# Altium PCB AvionicsSensorBoard.PcbDoc (part 2 of 2)
Units mil, origin at the board's own origin, x right, y up, seen from the top; angles counter-clockwise.
Board outline 3937.01 x 3937.01 mil, 4 copper layers (Top Layer, Layer 1, Layer 2, Bottom Layer), stack 60.708 mil thick; 198 components, 142 nets, 716 pads, 429 vias.
Unrouted connection lines stored in the file: 29.
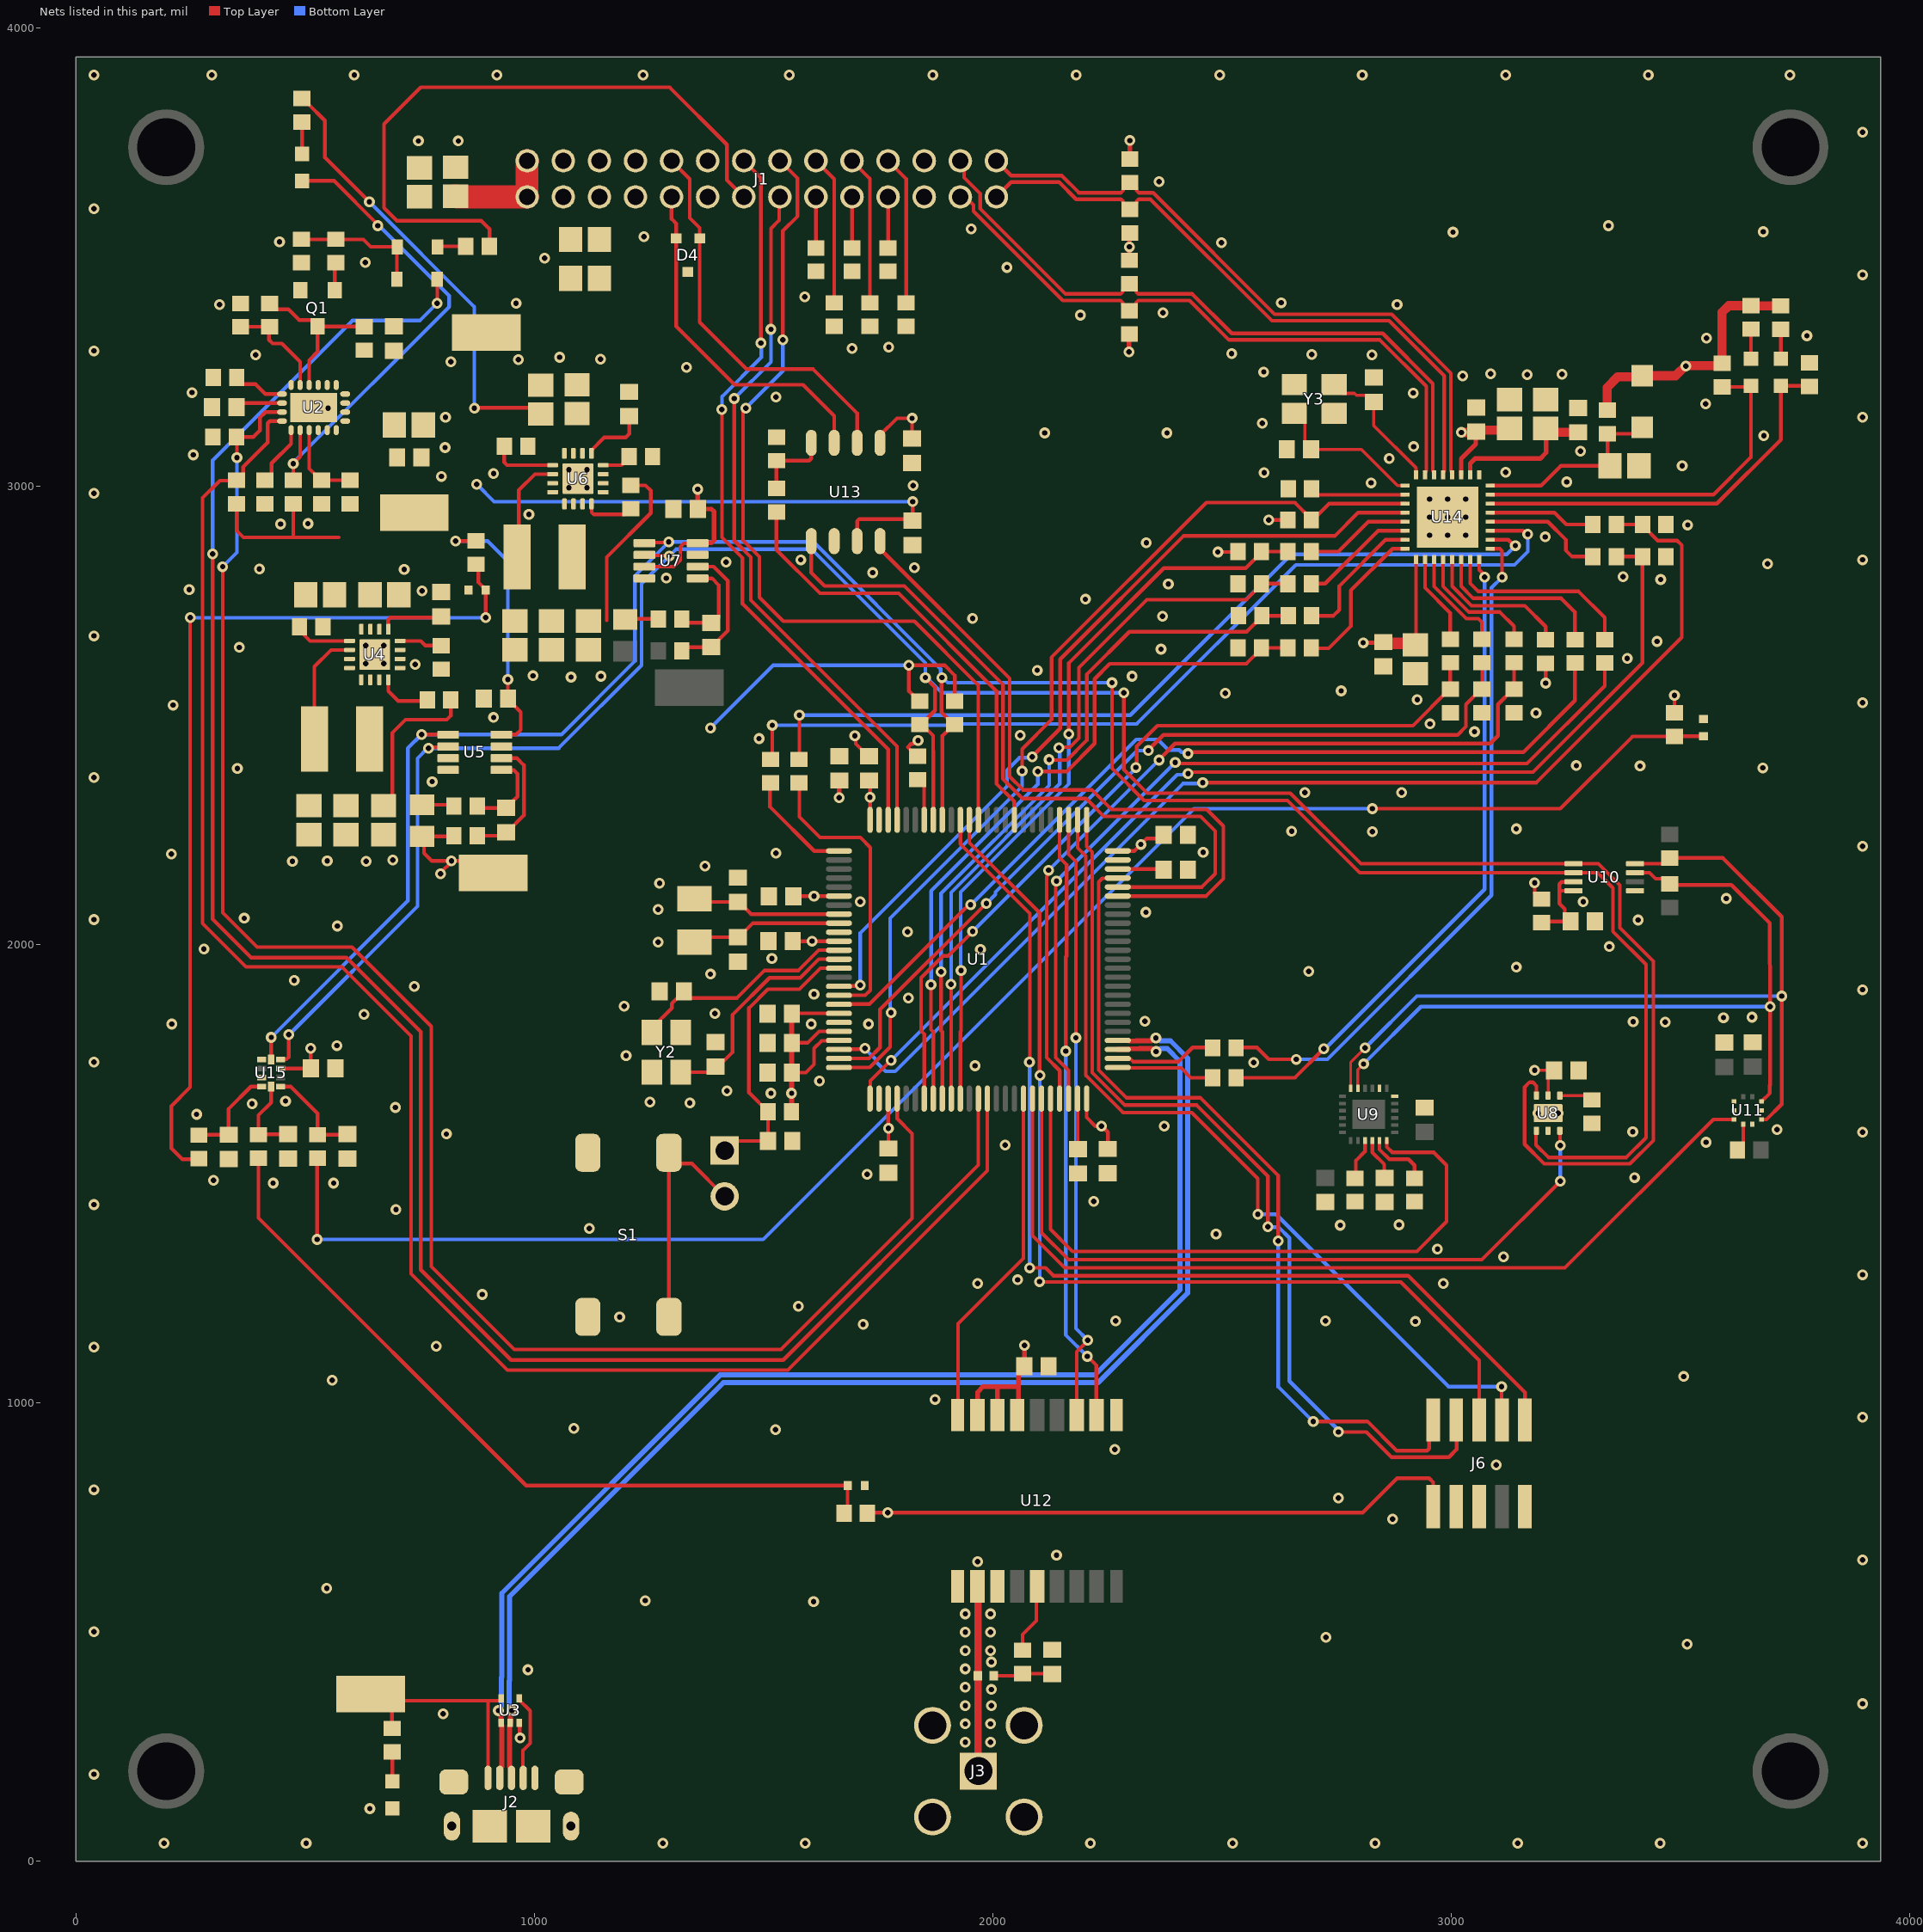
[diagram p4: the nets of this part, all layers, seen from the top]

## Via types
v1: diameter 23.62, hole 11.81, Top Layer to Bottom Layer, 429 vias

## Nets (pads, with @x,y where several pads share a name; then routed paths per layer and width w, separated by ;. In a path a pad name is that pad's centre, name@x,y a point inside that pad or via, vN(x,y) a via of type N, cw(c..) or ccw(c..) an arc to the next point about the centre after c; other vN are vias at no path point) (continued)
+3.3: C6.2 C7.2 C8.2 C9.2 C14.2 C15.2 C16.2 C17.2 C18.2 C19.2 C34.2 C42.2 C43.2 C50.1 C52.2 C56.2 C57.2 C58.2 C59.2 C63.2 D7.2 J6.1 R1.2 R6.2 R10.2 R11.2 R13.2 R14.2 R16.2 R19.2 R41.2 R47.2 R48.2 R49.2 R56.2 R57.2 R58.2 R59.2 R60.2 R76.2 R83.1 R88.1 TP3.1 U1.6 U1.11 U1.19 U1.21 U1.22 U1.28 U1.50 U1.75 U1.100 U5.4 U7.4 U7.7 U8.5 U12.6 U12.7 U12.8 U13.5 U14.3 U14.17 U15.8 | length 6705.2
  Top Layer w6.71: v1(3182,1726) C43.2@3224.43,1726 3211.41,1712.98 U8.5@3211.41,1671
  Top Layer w8: U15.8@446.34,1730 C63.2@512.43,1730 512,1730.43 v1(512,1774) ; v1(795,2155) 795,2157 819,2181 v1(819,2183) ; R19.2@824.41,2238 822.96,2236.55 R16.2@755,2236.55 759,2232.55 759,2200 776,2183 v1(819,2183) ; v1(828,2881) 872.41,2881 R47.2@873,2881.59 ; TP3.1@922,2176 915,2183 v1(819,2183) ; U5.4@928.07,2458.39 928.68,2459 960,2459 970,2469 970,2507.61 942.57,2535.03 C34.2@942.57,2537 942,2537.57 v1(942,2579) ; U7.7@1239.93,2825.2 1304.2,2825.2 1318,2839 1318,2868 1326,2876 U7.4@1334,2876 ; C19.2@1561.57,1721 1592,1721 1610,1739 1610,1774 1626.61,1790.61 1663.64,1790.61 U1.22@1664.37,1791.34 ; C18.2@1561.57,1786 1596,1786 1621.02,1811.02 U1.21@1664.37,1811.02 ; C7.2@1561.57,1850 1561.97,1850.39 U1.19@1664.37,1850.39 ; C6.2@1563.57,2010 1565.7,2007.87 v1@1606.13,2007.87 ; C17.2@1564.57,2106 1564.87,2106.3 v1@1610.3,2106.3 ; v1(1606,2008) v1@1606.13,2007.87 ; v1(1610,2106) v1@1610.3,2106.3 ; U1.6@1663,2106 1662.7,2106.3 v1@1610.3,2106.3 ; U1.11@1664.37,2007.87 v1@1606.13,2007.87 ; R48.2@1726.59,759.7 1727.89,761 v1(1771,761) 2807,761 2882,836 2952,836 2961,827 J6.1@2961,798 ; v1(1732,2322) 1732,2321.57 v1@1732.28,2321.28 ; U1.100@1732.28,2272.64 v1@1732.28,2321.28 ; C15.2@1733,2358 1732.28,2357.28 v1@1732.28,2321.28 ; U13.5@1754,3095.28 1754,3112.02 1790.98,3149 v1@1822,3149 ; v1@1771.65,1600.35 U1.28@1771.65,1664.37 ; C8.2@1772,1555.57 1772.42,1556 v1(1772.42,1599.58) ; v1(1817,2610) 1817,2553.62 1839.03,2531.59 R14.2@1841,2531.59 ; v1@1820,2610 1895,2610 1917,2588 R13.2@1917,2531.59 ; v1@1822,3145 1824,3143 C52.2@1824,3104.57 ; C50.1@2068.43,1080 C50.1@2069,1080.57 ; U1.50@2204.72,1664.37 2204.72,1623.28 2224,1604 v1(2237,1604) 2238,1604 2251,1591 C9.2@2251,1554.57 ; U1.75@2272.64,2204.72 2308.72,2204.72 v1(2323,2219) 2336,2232 C14.2@2372.43,2232 ; C14.2@2372.43,2240 C14.2@2377.43,2240 ; v1(2491,2857) 2533.82,2857 R83.1@2534.82,2858 ; v1(2602,2927) R57.2@2643.82,2927 ; C58.2@2922,2654.5 2923.23,2655.72 U14.17@2923.23,2840.55 ; v1(3182,2135) 3182.3,2134.7 3182.3,2112.32 3195.03,2099.59 R41.2@3197,2099.59 ; v1(3206,2571) R58.2@3206,2614.41 ; R49.2@3487,2506 v1(3487,2544)
  Top Layer w10: v1(1356,2994) 1356,2951.57 C42.2@1356.57,2951 ; U7.4@1356.07,2876.39 1356.68,2877 1386.14,2877 1392,2882.86 1392,2945 1386,2951 1365,2951 C42.2@1362,2954 ; v1(1665,2321) C16.2@1665,2358.43 ; U12.8@1967,958 1967,1024 1979,1036 2010,1036 ; U12.7@2011,968 2010,969 U12.7@2010,974.02 2010,1036 ; U12.6@2048,1000 2051.26,1000 2055.71,1004.45 2055.71,1036 ; C50.1@2068.43,1080 2055.71,1067.28 2055.71,1036 ; C50.1@2069,1080.57 v1(2069,1126) ; v1(2297,3294) 2297,3331.41 R1.2@2298,3332.41 ; R6.2@2298,3491 R6.2@2298,3493.59 v1(2298,3523) 2298,3552.41 R10.2@2299,3553.41 ; R11.2@2299,3714.59 v1(2299,3755) ; v1(2808,2659) 2850.43,2659 C59.2@2852,2660.57 ; U14.3@3021.65,3025.59 3021.65,3060.65 3053.57,3092.57 3053.57,3117.57 C57.2@3055,3119 ; 2010,1036 2055.71,1036
  Top Layer w12: v1(1561,1676) v1@1561.08,1676 ; C7.2@1561.57,1850 1561.08,1849.51 v1@1561.08,1676 ; R88.1@1562,1636 1561.08,1636.92 v1@1561.08,1676
  Top Layer w20: v1(3022,3118) 3053.57,3118 C57.2@3055,3119.43 ; C57.2@3055,3119 3058.96,3122.96 3123.46,3122.96 C56.2@3127,3126.5 ; R76.2@3338,3165 3340,3167 3340,3216 3363.38,3239.38 3414.78,3239.38 D7.2@3417,3241.6 3489.6,3241.6 v1@3512,3264 ; v1(3512,3263) v1@3512,3264 ; R56.2@3591,3274 3591,3380.24 3605.46,3394.7 R60.2@3654.16,3394.7 ; R56.2@3597,3266 3595,3264 v1@3512,3264 ; R60.2@3659,3390 3659,3390.55 3662.86,3394.41 3718.86,3394.41 R59.2@3719.16,3394.11
  Top Layer w25: C59.2@2852,2660.57 2855.04,2657.54 2918.96,2657.54 C58.2@2922,2654.5
  Bottom Layer w8: v1(828,2881) 898,2881 942,2837 942,2580 v1@941,2579 ; v1(1384,2473) 1521,2610 v1@1820,2610
  other v1: 1824,3149
+5: C24.2 C25.2 C29.2 C30.2 C35.2 C36.2 C53.2 R17.2 R21.2 R22.2 R24.2 R35.2 R89.1 TP2.1 U2.4 U2.5 U2.6 U2.7 U2.8 U4.10 U4.11 U4.12 U6.10 U6.11 U6.12 U13.3 | length 2516.7
  Top Layer w8: R21.2@350,2962.41 350,2904 365,2889 573,2889 ; 474,2890 R22.2@474,2962.41 ; R89.1@506,3850 506,3835.56 543,3798.56 543,3718 v1(640,3621) ; R24.2@597.59,2962 R24.2@598,2962.41 ; v1@869,3172 1000,3172 C36.2@1014,3158 ; U13.3@1704,2880.72 1704,2924 1709,2929 1821.57,2929 C53.2@1825,2925.57 v1(1825,2967)
  Bottom Layer w8: v1(640,3621) 869,3392 v1(869,3171) ; v1(874,3005) 912,2967 v1(1825,2967)
+5_Supply: C3.2 C4.2 C23.2 J1.5 J1.6 R20.2 TP1.1 U2.9 U2.10 U2.11 U2.12 U2.13 | length 8.5
  Top Layer w25: C3.2@1136,3456 C3.2@1141.87,3461.87 ; J1.6@1141.73,3710.63 J1.6@1141.87,3710.5
+12_Supply: C1.2 C2.2 J1.1 J1.2 | length 236.9
  Top Layer w50: C1.2@826,3634 829.47,3634 831.58,3631.89 J1.1@984.25,3631.89 ; J1.1@984.03,3634.03 984.03,3710.4 J1.2@984.25,3710.63 J1.2@984.48,3710.4 ; J1.1@984.48,3633.52 J1.1@985,3633
ETH_RX_N: J1.28 R11.1 U14.4 | length 1430.2
  Top Layer w8.18: J1.28@2007.87,3710.63 2040.16,3678.35 2150.4,3678.35 2187.66,3641.09 2279.6,3641.09 2284.39,3645.88 2284.39,3650.77 2297.03,3663.41 2300.97,3663.41 2313.61,3650.77 2313.61,3645.88 2318.4,3641.09 2349.66,3641.09 2614.81,3375.94 2870.36,3375.94 2999.21,3247.09 2999.21,3108.38 2999.21,3033.66 3001.97,3030.91 U14.4@3001.97,3025.59
ETH_RX_P: J1.27 R10.1 U14.5 | length 1406.7
  Top Layer w8.18: J1.27@2007.87,3631.89 2040.16,3664.17 2144.53,3664.17 2181.79,3626.91 2279.6,3626.91 2284.39,3622.12 2284.39,3617.23 2297.03,3604.59 2300.97,3604.59 2313.61,3617.23 2313.61,3622.12 2318.4,3626.91 2343.79,3626.91 2608.93,3361.76 2864.49,3361.76 2985.04,3241.22 2985.04,3102.51 2985.04,3033.66 2982.28,3030.91 U14.5@2982.28,3025.59
ETH_TX_N: J1.26 R6.1 U14.6 | length 1492
  Top Layer w8.18: J1.26@1929.13,3710.63 1937.36,3702.4 1937.36,3674.12 1972.2,3639.29 1972.2,3606.57 2158.68,3420.09 2278.6,3420.09 2283.39,3424.88 2283.39,3429.77 2296.03,3442.41 2299.97,3442.41 2312.61,3429.77 2312.61,3424.88 2317.4,3420.09 2435.11,3420.09 2521.25,3333.94 2850.36,3333.94 2959.84,3224.46 2959.84,3033.66 2962.6,3030.91 U14.6@2962.6,3025.59
ETH_TX_P: J1.25 R1.1 U14.7 | length 1411.9
  Top Layer w8.18: J1.25@1931.12,3631.89 1940.14,3631.89 1958.02,3614.01 1958.02,3600.7 2152.81,3405.91 2278.6,3405.91 2283.39,3401.12 2283.39,3396.23 2296.03,3383.59 2299.97,3383.59 2312.61,3396.23 2312.61,3401.12 2317.4,3405.91 2429.24,3405.91 2515.38,3319.77 2844.49,3319.77 2945.67,3218.59 2945.67,3033.66 2942.91,3030.91 U14.7@2942.91,3025.59
GND: C1.1 C2.1 C3.1 C4.1 C6.1 C7.1 C8.1 C9.1 C10.1 C11.1 C12.1 C13.1 C14.1 C15.1 C16.1 C17.1 C18.1 C19.1 C20.1 C21.1 C22.1 C23.1 C24.1 C25.1 C26.1 C27.1 C28.1 C29.1 C30.1 C32.1 C33.1 C34.1 C35.1 C36.1 C37.1 C38.1 C39.1 C41.1 C42.1 C43.1 C44.1 C45.1 C46.1 C47.1 C48.1 C49.1 C50.2 C51.1 C52.1 C53.1 C54.1 C55.1 C56.1 C57.1 C58.1 C59.1 C60.2 C61.2 C62.1 C63.1 C64.1 C65.1 C66.1 D2.2 D4.3 J1.3 J1.4 J1.7 J1.8 J1.11 J1.12 J1.23 J1.24 J2.5 J2.S J3.2 J3.3 J3.4 J3.5 J6.2 J6.3 J6.5 Q1.2 R2.2 R3.2 R4.2 R5.2 R7.2 R8.2 R12.2 R26.1 R27.1 R28.1 R29.1 R30.1 R32.1 R33.1 R39.1 R40.1 R44.2 R45.2 R50.1 R51.1 R52.1 R55.1 R72.1 R73.1 R79.1 R80.1 R81.1 R82.1 R84.1 R85.1 R86.1 R87.1 S1.1 S1.2 U1.10 U1.20 U1.27 U1.74 U1.99 U2.16 U2.21 U3.3 U4.5 U4.6 U4.7 U4.15 U4.16 U4.17@651.88,2633.45 U5.3 U5.7 U5.8 U6.5 U6.6 U6.7 U6.15 U6.16 U6.17@1094.97,3017.18 U7.3 U7.8 U8.2 U8.7 U9.18 U9.20 U10.1 U11.3 U11.5 U11.8 U11.9 U12.1 U12.10 U12.12 U13.2 U14.1 U14.33 U15.1 U15.3 Y2.2 Y2.4 Y3.2 Y3.4 | length 155.9
  Top Layer w8: U3.3@966.68,302.43 967.84,301.27 967.84,270.16 v1(969,269) ; v1(1699,2456) 1700.91,2454.09 1700.91,2438.69 1728,2411.61 C15.1@1728,2408 ; v1(1837,2445.87) 1832.77,2445.87 1825.23,2438.32 1821.64,2438.32 1814.47,2431.15 1834.62,2411 R12.2@1839,2411
  other v1: 192,39.37 502,39.37 1280,39.37 1591,39.37 2213,39.37 2523,39.37 2834,39.37 3145,39.37 3456,39.37 3897.64,39.37 641,115 39.37,190 1940,260 1995,260 1940,300 1995,300 801,322 1940,340 1997,340 3897.64,344 1997,375 1940,380 986,418 1940,420 1997,435 1940,460 1995,460 3515,474 2727,489 1940,500 1995,500 39.37,501 1940,540 1995,540 1609,567 1242,569 547,596 1967,654 3897.64,658 2139,668 2872,747 2754,793 39.37,811 3098,865 2266,899 1526,942 1086,945 3897.64,969 1874,1008 559,1050 3507,1058 39.37,1122 786,1124 1717,1172 2922,1178 2267.75,1179.33 2725.75,1179.33 1186,1188 1576,1211 886,1237 1967,1261 2983,1261 2054,1269 3897.64,1280 3114,1319 2970,1336 2487,1369 1120,1381 2758,1388 2886,1389 698,1422 39.37,1433 2220,1440 430,1480 562,1480 300,1486 3400,1492 1726,1499 2027,1563 3556,1569 808,1587 3897.64,1591 3396,1592 3711,1597 2374,1604 263,1630 3189.76,1632.61 3233.06,1632.61 697,1645 384,1653 1339,1655 1252,1657 457,1659 1516,1676 1420,1681 1622,1703 1961,1736 2569,1743 39.37,1744 1200,1758 569,1780 209,1827 1604,1827 1729,1827 3467,1831 3397,1832 2332,1833 3594,1841 3656,1842 628,1848 1394,1850 1196,1866 1816,1884 1610,1892 3897.64,1902 738,1909 476,1922 1384,1936 2689,1942 3142,1951 1518,1970 1973,1990 279,1991 3345,1996 1270,2006 1814,2028 570,2041 3408,2054 39.37,2055 367,2058 2334,2071 1270,2077 1711,2094 3288,2094 3600,2101 1273,2134 1372,2172 472,2182 633,2182 548,2183 691,2185 208,2198 1527,2200 2459,2202 3897.64,2215 2828,2247 2652,2248 3142,2253 2681,2332.19 2892,2332.19 777,2356 39.37,2365 352,2385 3680,2386 3412,2390 3273,2391 1490,2450 2060,2457 3050.8,2464.94 2954,2482 911,2496 3185,2506 212,2523 3897.64,2528 2926,2535 2507,2549 2760,2554 1080,2584 1145,2586 2304,2586 997,2587 2097,2599 740,2612 632.2,2613.76 671.57,2613.76 3384,2625 2367,2645 356,2649 632.2,2653.13 671.57,2653.13 3449,2662 39.37,2674 1956,2712 2370,2717 2202,2754 755,2772 247,2775 2383,2787 3457,2797 1288,2800 3375,2803 1738,2812 716,2819 400,2820 1829,2823 3690,2831 1418,2835 1581,2840 3897.64,2840 2335,2877 3205,2890 2952.76,2893.7 2992.13,2893.7 3031.5,2893.7 3516,2916 446,2918 506,2919 2952.76,2933.07 2992.13,2933.07 3031.5,2933.07 988,2939 2952.76,2972.44 2992.13,2972.44 3031.5,2972.44 39.37,2985 1075.28,2997.5 1114.65,2997.5 1826,3002 2825,3008 3252,3010 797,3022 911,3028 2592,3030 3119,3031 1075.28,3036.87 1114.65,3036.87 3504,3045 2865,3061 256,3069 3282,3077 805,3085 2918,3087 3682,3111 2113,3117 2380,3117 2588,3138 806,3151 3897.64,3151 550,3171 3555,3180 1527,3195 2917,3204 253,3205 3025,3241 3166,3244 3242,3245 3086,3246 2591,3250 1332,3260 818,3272 965,3277 1144,3278 1055,3282 392,3287 2827,3287 2696,3288 2521,3290 39.37,3296 1693,3301 1773,3304 3557,3324 3776,3329 2191,3374 2371,3379 313,3397 2882,3397 960,3400 2629,3401 1590,3414 3897.64,3462 2031,3478 631,3489 1022,3498 2499,3532 444,3534 1239,3545 3004,3555 3681,3556 1953,3562 3343,3569 39.37,3606 2363,3665 747,3754 834,3754 3897.64,3773 39.37,3897.64 296,3897.64 607,3897.64 918,3897.64 1237,3897.64 1556,3897.64 1869,3897.64 2182,3897.64 2495,3897.64 2806,3897.64 3119,3897.64 3430,3897.64 3739,3897.64
NetC10_2: C10.2 U1.73 | length 110.9
  Top Layer w8: U1.73@2272.64,2165.35 2381.65,2165.35 C10.2@2383,2164
NetC11_2: C11.2 U1.49 | length 110.6
  Top Layer w8: U1.49@2185.04,1664.37 2185.04,1555.11 C11.2@2186,1554.15
NetC12_2: C12.2 U1.8 Y1.1 | length 329.2
  Top Layer w8: Y1.1@1349.04,2100.33 1355.94,2093.43 C12.2@1444,2093.43 1445.97,2093.43 1472.46,2066.93 U1.8@1664.37,2066.93
NetC13_2: C13.2 U1.9 Y1.2 | length 332.5
  Top Layer w8: Y1.2@1349.04,2005.84 1359.77,2016.57 C13.2@1444,2016.57 1445.97,2016.57 1476.64,2047.24 U1.9@1664.37,2047.24
NetC20_2: C20.2 U1.12 Y2.1 | length 505.5
  Top Layer w8: Y2.1@1256.35,1808.59 1256.35,1818.35 1300,1862 1300,1871.85 C20.2@1326.15,1898 1340.15,1884 1442,1884 1502,1944 1576,1944 1620.19,1988.19 U1.12@1664.37,1988.19
NetC21_2: C21.2 U1.13 Y2.3 | length 495.2
  Top Layer w8: Y2.3@1319.34,1721.98 1388.98,1721.98 1432,1765 1432,1847 1513,1928 1580,1928 1620.5,1968.5 U1.13@1664.37,1968.5
NetC22_2: C22.2 J5.1 R88.2 U1.14 | length 642.6
  Top Layer w8: J5.1@1415,1551 1436,1572 C22.2@1509.43,1572 ; C22.2@1509.43,1572 R88.2@1509.41,1636 1468,1677.41 1468,1862 1509,1903 1578,1903 1623.82,1948.82 U1.14@1664.37,1948.82
NetC26_2: C26.2 C27.2 C28.2 L1.2 R16.1 R18.2 R23.2 U4.14 | length 622.6
  Top Layer w8: L1.2@518,2475 520,2477 520,2607 556.29,2643.29 U4.14@596.76,2643.29 ; C28.2@690,2312 690,2462 719,2491 809,2491 817.59,2499.59 R23.2@817.59,2534 ; R16.1@755,2305.45 821.96,2305.45 R18.2@824.41,2303
NetC31_1: C31.1 R19.1 U5.2 | length 284.6
  Top Layer w8: R19.1@875.59,2238 930.57,2238 C31.1@938,2245.43 939.97,2245.43 977,2282.46 977,2392 961.8,2407.2 U5.2@928.07,2407.2
NetC31_2: C31.2 R18.1 U5.1 | length 188.7
  Top Layer w8: R18.1@875.59,2303 880.02,2298.57 C31.2@938,2298.57 939.97,2298.57 953.69,2312.29 953.69,2314.26 963,2323.57 963,2373 955,2381 928.69,2381 U5.1@928.07,2381.61
NetC32_2: C32.2 U4.9 | length 147.3
  Top Layer w8: U4.9@681.41,2688.57 681,2688.98 681,2709.31 685.69,2714 804,2714 C32.2@805,2715
NetC33_2: C33.2 U2.18 | length 103.2
  Top Layer w8: C33.2@350,3173 359.13,3182.13 U2.18@449.45,3182.13
NetC37_2: C37.2 C38.2 C39.2 L2.2 R34.1 R36.2 R38.2 U6.14 | length 671.2
  Top Layer w8: L2.2@957,2856 966,2865 966,2992 1001.02,3027.02 U6.14@1039.85,3027.02 ; 1158,2708 1158,2846 1254,2942 1254,2991 1242.41,3002.59 R38.2@1210,3002.59 ; R34.1@1199,2711.45 1199.45,2711 R36.2@1270.41,2711
NetC40_1: C40.1 R37.1 U7.2 | length 306.2
  Top Layer w8: R37.1@1321.59,2641 1330.02,2649.43 C40.1@1386,2649.43 1422,2685.43 1422,2794 1390.8,2825.2 U7.2@1356.07,2825.2
NetC40_2: C40.2 R36.1 U7.1 | length 212.1
  Top Layer w8: R36.1@1321.59,2711 1330.02,2702.57 C40.2@1386,2702.57 1387.57,2701 1402,2715.43 1402,2785 1387.39,2799.61 U7.1@1356.07,2799.61
NetC41_2: C41.2 U6.9 | length 145.2
  Top Layer w8: U6.9@1124,3070 1124,3078.69 1152.31,3107 1199,3107 1207,3115 C41.2@1207,3153.43
NetC46_2: C46.2 U9.10 | length 95.4
  Top Layer w8: U9.10@2827.87,1572.91 2827.87,1547.13 2854,1521 2854,1494 C46.2@2858,1490
NetC47_2: C47.2 R41.1 U10.7 U10.8 | length 220.1
  Top Layer w8: R41.1@3197,2048.41 3199.59,2051 C47.2@3260.43,2051 3248,2063.43 3248,2078 3236,2090 3236,2117.94 ; U10.8@3267,2117.94 3236,2117.94 ; U10.7@3267,2137.63 3266.37,2137 3240.69,2137 3236,2132.31 3236,2117.94
NetC51_2: C51.2 L3.2 R53.2 | length 129.9
  Top Layer w8: L3.2@2002.32,405 2060.59,405 R53.2@2065,409.41 2129.02,409.41 C51.2@2130,408.43
NetC54_2: C54.2 C55.2 U14.2 | length 314.4
  Top Layer w8: C54.2@3207,3118 C54.2@3207.43,3118.43
  Top Layer w10: U14.2@3041.34,3025.59 3041.34,3050.34 3052,3061 3194,3061 3207,3074 C54.2@3207,3118
  Top Layer w20: C54.2@3207.43,3118.43 C55.2@3277,3118.43
NetC60_1: C60.1 U14.9 Y3.3 | length 338
  Top Layer w6.71: Y3.3@2657.69,3159.5 2661.72,3159.5 2681,3140.22 2681,3087.57 2687.57,3081 C60.1@2694.57,3081 2804,3081 2883.03,3001.97 U14.9@2899.61,3001.97
NetC61_1: C61.1 U14.8 Y3.1 | length 299.5
  Top Layer w6.71: Y3.1@2744.31,3222.5 2763.59,3203.21 2788.79,3203.21 2793.21,3198.79 2816.64,3198.79 C61.1@2831,3184.43 2831,3133 2923.23,3040.77 U14.8@2923.23,3025.59
NetC62_2: C62.2 D7.1 R76.1 U14.32 | length 433.8
  Top Layer w8: U14.32@3084.65,3001.97 3195.97,3001.97 3239,3045 C62.2@3346.5,3045 3341.03,3050.47 R76.1@3341.03,3115.22 3403.22,3115.22 D7.1@3417,3129
NetC64_2: C64.2 R90.2 U15.4 | length 214
  Top Layer w8: R90.2@268,1584.59 268.98,1585.57 C64.2@333,1585.57 333,1642 381.63,1690.63 U15.4@405,1690.63
NetC65_2: C65.2 R91.2 U15.5 | length 181.9
  Top Layer w8: U15.5@425.67,1690.63 425.67,1655.67 398,1628 R91.2@398,1585.59 398.98,1586.57 C65.2@463,1586.57
NetC66_2: C66.2 R92.2 U15.6 | length 216.8
  Top Layer w8: U15.6@446.34,1690.63 468.37,1690.63 527,1632 R92.2@527,1585.59 591.02,1585.59 C66.2@592,1586.57
NetD1_1: D1.1 R15.2 | length 62.4
  Top Layer w8: D1.1@788,3524 R15.2@850.41,3524
NetD1_2: D1.2 D3.2 R31.2 R33.2 | length 282.5
  Top Layer w8: R33.2@494,3539 627,3539 643,3523 D1.2@701,3523 ; D1.2@698,3520 700.2,3517.8 D3.2@700.2,3452
NetD2_1: D2.1 R9.1 | length 64.3
  Top Layer w8: D2.1@690,174.53 R9.1@690,238.82
NetD3_1: D3.1 U1.38 | length 4379.3
  Top Layer w8: v1(298,2853) 298,2056 382,1972 590,1972 752,1810 752,1291 949,1094 1543,1094 1968.5,1519.5 U1.38@1968.5,1664.37 ; D3.1@787.8,3452 788,3451.8 v1(788,3400)
  Bottom Layer w8: v1(298,2853) 298,3057 603,3362 750,3362 v1(788,3400)
NetD4_1: D4.1 J1.10 U13.6 | length 868
  Top Layer w8: J1.10@1299.21,3710.63 1339,3670.84 1339,3586 1360.59,3564.41 D4.1@1360.59,3541.42 1360.59,3358.41 1463,3256 1608,3256 1704,3160 U13.6@1704,3095.28
NetD4_2: D4.2 J1.9 U13.7 | length 770.8
  Top Layer w8: J1.9@1299.21,3631.89 1299.21,3583.79 1309.41,3573.59 D4.2@1309.41,3541.42 1309.41,3349.59 1437,3222 1586,3222 1654,3154 U13.7@1654,3095.28
NetD5_1: D5.1 R59.1 | length 64.3
  Top Layer w8: D5.1@3719.16,3278.64 R59.1@3719.16,3342.93
NetD5_2: D5.2 R73.2 U14.30 | length 868.2
  Top Layer w8: U14.30@3084.65,2962.6 3579.6,2962.6 3719.16,3102.16 D5.2@3719.16,3219.58 3775.42,3219.58 R73.2@3777,3218
NetD6_1: D6.1 R60.1 | length 64.9
  Top Layer w8: D6.1@3654.16,3278.64 R60.1@3654.16,3343.52
NetD6_2: D6.2 R56.1 U14.31 | length 822
  Top Layer w8: U14.31@3084.65,2982.28 3572.28,2982.28 3654.16,3064.16 D6.2@3654.16,3219.58 ; R56.1@3591,3217.41 3653.59,3217.41 D6.2@3654,3217
NetD8_1: D8.1 R89.2 | length 65.9
  Top Layer w8: R89.2@492,3791 493,3790 D8.1@493,3725.53
NetD8_2: D8.2 R22.1 U2.2 | length 1048.2
  Top Layer w8: R22.1@473,3017 474,3018 v1(474,3050) ; v1@473,3050 473.94,3050 488.82,3064.88 U2.2@488.82,3123.08 ; D8.2@492,3667 563,3667 658,3572 v1(658,3569)
  Bottom Layer w8: v1(474,3050) 474,3052 814,3392 814,3416 661,3569 v1(658,3569)
NetJ1_13: J1.13 R15.1 | length 1434.1
  Top Layer w8: R15.1@900,3523 902,3525 902,3562 884,3580 700,3580 672,3608 672,3791 752,3871 1295,3871 1420,3746 1420,3668.58 J1.13@1456.69,3631.89
NetJ1_14: J1.14 U1.98 | length 1636.4
  Top Layer w8: v1(1409,3168) 1409,2889 1454,2844 1454,2744 1771.65,2426.35 U1.98@1771.65,2272.64 ; J1.14@1468,3712 1468,3699.32 1494.19,3673.13 v1(1494.19,3313)
  Bottom Layer w8: v1(1409,3168) 1409,3196 1495,3282 1495,3312.19 v1(1494.19,3313)
NetJ1_15: J1.15 U1.97 | length 1552.6
  Top Layer w8: v1(1436,3192) 1436,2881.8 1472,2845.8 1472,2752 1791,2433 1791,2272.98 U1.97@1791.34,2272.64 ; v1(1516,3343) 1516,3563 1534,3581 1534,3636 J1.15@1535,3637
  Bottom Layer w8: v1(1436,3192) 1516,3272 v1(1516,3343)
NetJ1_16: J1.16 U1.88 | length 1882.9
  Top Layer w8: v1@1462,3171 1462,3169.29 1455,3162.29 1455,2882.6 1491,2846.6 1491,2758 1543,2706 1829,2706 1968.5,2566.5 U1.88@1968.5,2272.64 ; J1.16@1535.43,3710.63 1574,3672.06 1574,3590 1542,3558 v1(1542,3320)
  Bottom Layer w8: v1(1461,3171) 1542,3252 v1@1542,3319
NetJ1_17: J1.17 R2.1 | length 111.3
  Top Layer w8: R2.1@1614.17,3520.59 J1.17@1614.17,3631.89
NetJ1_18: J1.18 R3.1 | length 328.4
  Top Layer w8: J1.18@1614.17,3710.63 1654,3670.8 1654,3401.59 R3.1@1652,3399.59
NetJ1_19: J1.19 R4.1 | length 111.3
  Top Layer w8: J1.19@1692.91,3631.89 1692.91,3520.68 R4.1@1693,3520.59
NetJ1_20: J1.20 R5.1 | length 327.6
  Top Layer w8: J1.20@1692.91,3710.63 1732,3671.54 R5.1@1732,3400.59 R5.1@1733,3399.59
NetJ1_21: J1.21 R7.1 | length 111.3
  Top Layer w8: R7.1@1771.65,3520.59 J1.21@1771.65,3631.89
NetJ1_22: J1.22 R8.1 | length 328.6
  Top Layer w8: J1.22@1771.65,3710.63 1811,3671.28 1811,3402.59 R8.1@1814,3399.59
NetJ2_1: J2.1 R9.2 TP5.1 U3.5 | length 471.9
  Top Layer w8: R9.2@690,290 689,291 689,350.72 899,350.72 ; J2.1@898.82,182.09 899,182.27 899,350.72 ; U3.5@927.32,355.57 927.32,352.62 925.41,350.72 899,350.72
NetJ2_4: J2.4 U3.4 | length 190.3
  Top Layer w8: U3.4@966.68,355.57 966.68,352.62 990.81,328.5 990.81,257.81 975,242 975,182.68 J2.4@975.59,182.09